# KiCad board panel.kicad_pcb (continued)
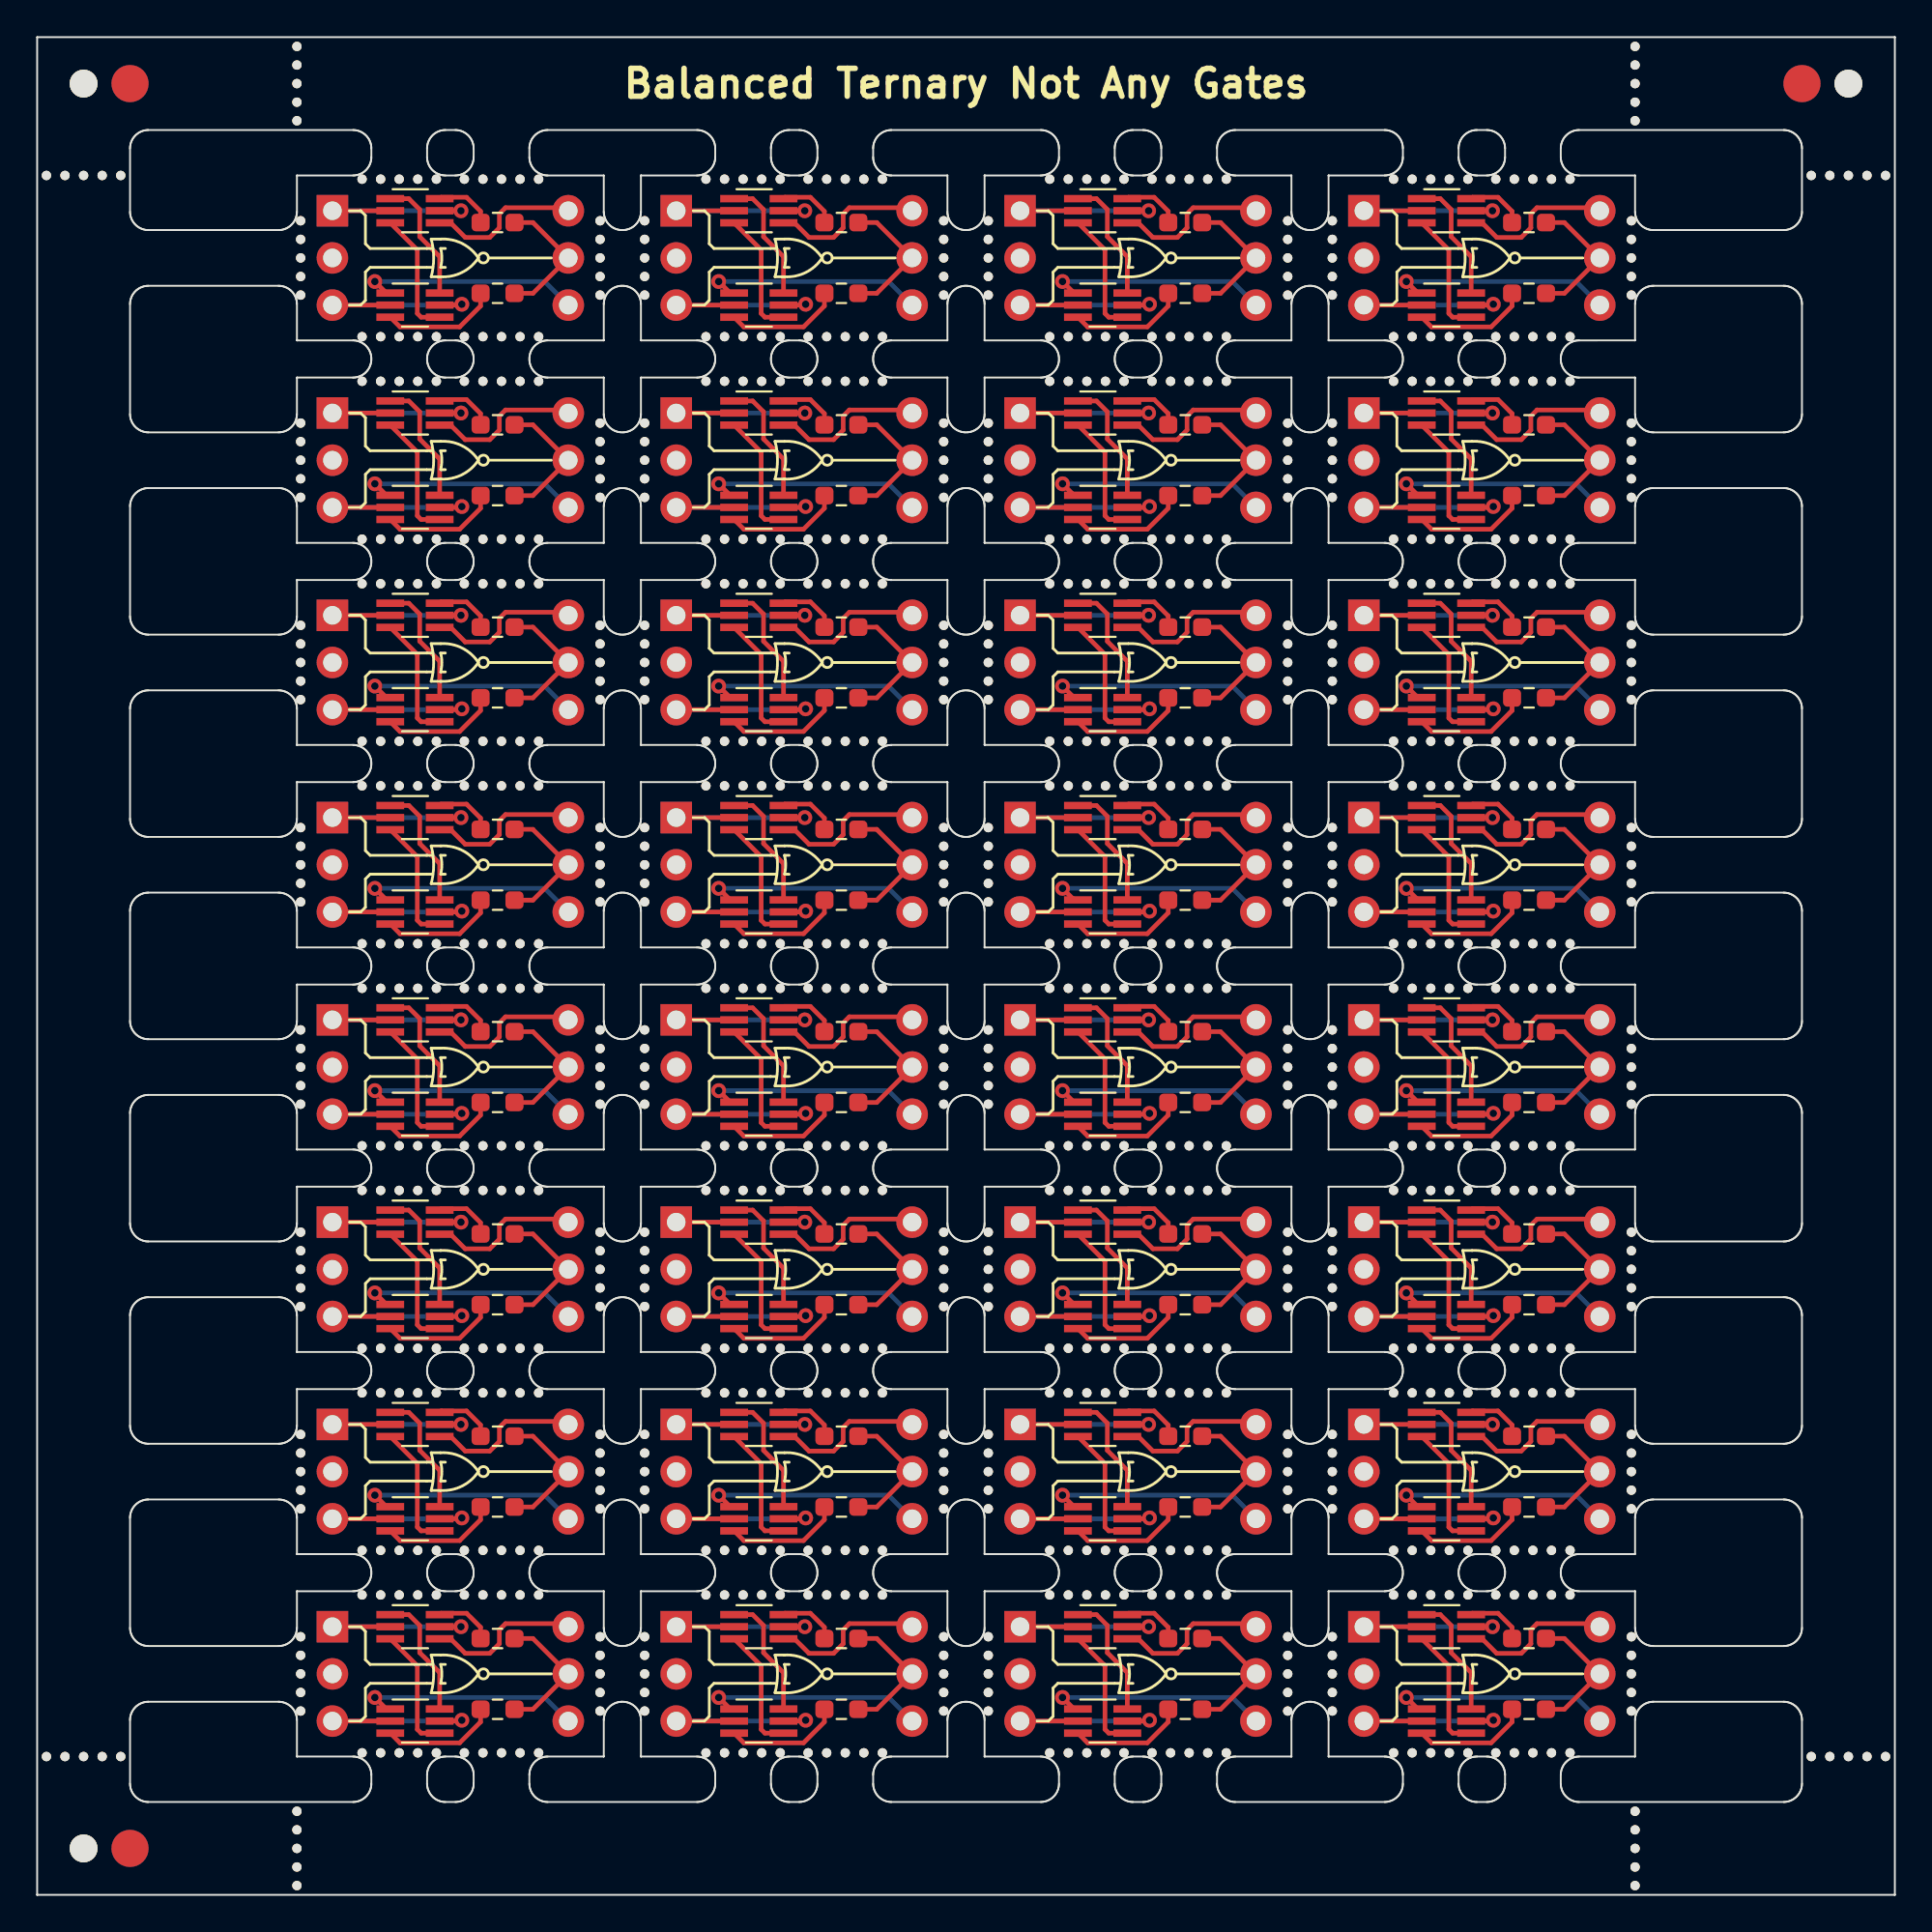
[diagram p0: board, top side]
## Placement (name value [footprint] x y rotation side) (continued)
REF**#884  -  [NPTH]  48.8 75.24 0 top
REF**#885  -  [NPTH]  48.8 57.46 0 top
REF**#886  -  [NPTH]  48.8 22.79 0 top
REF**#887  -  [NPTH]  69.72 22.79 0 top
REF**#888  -  [NPTH]  77.03 40.33 0 top
REF**#889  -  [NPTH]  61.02 72.99 0 top
REF**#890  -  [NPTH]  81.53 81.49 0 top
REF**#891  -  [NPTH]  14.18 66.35 0 top
REF**#892  -  [NPTH#2]  2.5 2.5 0 top
REF**#893  -  [NPTH]  32.7 20.79 0 top
REF**#894  -  [NPTH]  99.51 92.57 0 top
REF**#895  -  [NPTH]  30.3 79.24 0 top
REF**#896  -  [NPTH]  14.18 42.57 0 top
REF**#897  -  [NPTH]  21.49 62.11 0 top
REF**#898  -  [NPTH]  39.01 48.81 0 top
REF**#899  -  [NPTH]  64.02 40.33 0 top
REF**#900  -  [NPTH]  27 27.03 0 top
REF**#901  -  [NPTH]  25 40.33 0 top
REF**#902  -  [NPTH]  41.51 29.43 0 top
REF**#903  -  [NPTH]  60.02 27.03 0 top
REF**#904  -  [NPTH]  20.49 81.49 0 top
REF**#905  -  [NPTH]  69.72 90.13 0 top
REF**#906  -  [NPTH]  80.53 29.43 0 top
REF**#907  -  [NPTH]  48.8 88.13 0 top
REF**#908  -  [NPTH]  18.49 92.37 0 top
REF**#909  -  [NPTH]  85.83 13.9 0 top
REF**#910  -  [NPTH]  82.53 18.55 0 top
REF**#911  -  [NPTH]  23 59.71 0 top
REF**#912  -  [NPTH]  32.7 34.68 0 top
REF**#913  -  [NPTH]  32.7 24.79 0 top
REF**#914  -  [NPTH]  17.49 70.59 0 top
REF**#915  -  [NPTH]  77.03 59.71 0 top
REF**#916  -  [NPTH]  14.18 44.57 0 top
REF**#917  -  [NPTH]  86.03 96.51 0 top
REF**#918  -  [NPTH]  51.2 76.24 0 top
REF**#919  -  [NPTH]  36.01 92.37 0 top
REF**#920  -  [NPTH]  17.49 40.33 0 top
REF**#921  -  [NPTH]  51.2 57.46 0 top
REF**#922  -  [NPTH]  23 81.49 0 top
REF**#923  -  [NPTH]  17.49 59.71 0 top
REF**#924  -  [NPTH]  51.2 90.13 0 top
REF**#925  -  [NPTH]  69.72 88.13 0 top
REF**#926  -  [NPTH]  85.83 76.24 0 top
REF**#927  -  [NPTH]  20.49 37.93 0 top
REF**#928  -  [NPTH]  21.49 29.43 0 top
REF**#929  -  [NPTH]  73.03 92.37 0 top
REF**#930  -  [NPTH]  69.72 87.13 0 top
REF**#931  -  [NPTH]  54.51 83.89 0 top
REF**#932  -  [NPTH]  45.51 18.55 0 top
REF**#933  -  [NPTH]  27 51.21 0 top
REF**#934  -  [NPTH]  30.3 42.57 0 top
REF**#935  -  [NPTH]  78.53 83.89 0 top
REF**#936  -  [NPTH]  57.51 72.99 0 top
REF**#937  -  [NPTH]  38.01 16.15 0 top
REF**#938  -  [NPTH]  58.51 18.55 0 top
REF**#939  -  [NPTH]  17.49 81.49 0 top
REF**#940  -  [NPTH]  44.51 72.99 0 top
REF**#941  -  [NPTH]  25 7.65 0 top
REF**#942  -  [NPTH]  36.01 27.03 0 top
REF**#943  -  [NPTH]  30.3 57.46 0 top
REF**#944  -  [NPTH]  48.8 78.24 0 top
REF**#945  -  [NPTH]  61.02 83.89 0 top
REF**#946  -  [NPTH]  41.51 70.59 0 top
REF**#947  -  [NPTH]  51.2 53.46 0 top
REF**#948  -  [NPTH]  56.51 81.49 0 top
REF**#949  -  [NPTH]  85.83 78.24 0 top
REF**#950  -  [NPTH]  74.03 70.59 0 top
REF**#951  -  [NPTH]  48.8 86.13 0 top
REF**#952  -  [NPTH]  81.53 27.03 0 top
REF**#953  -  [NPTH]  69.72 57.46 0 top
REF**#954  -  [NPTH]  48.8 31.68 0 top
REF**#955  -  [NPTH]  80.53 16.15 0 top
REF**#956  -  [NPTH]  58.51 7.65 0 top
REF**#957  -  [NPTH]  64.02 7.65 0 top
REF**#958  -  [NPTH]  45.51 37.93 0 top
REF**#959  -  [NPTH]  62.02 81.49 0 top
REF**#960  -  [NPTH]  32.7 57.46 0 top
REF**#961  -  [NPTH]  30.3 32.68 0 top
REF**#962  -  [NPTH]  37.01 18.55 0 top
REF**#963  -  [NPTH]  48.8 67.35 0 top
REF**#964  -  [NPTH]  25 59.71 0 top
REF**#965  -  [NPTH]  57.51 59.71 0 top
REF**#966  -  [NPTH]  80.53 81.49 0 top
REF**#967  -  [NPTH]  48.8 20.79 0 top
REF**#968  -  [NPTH]  85.83 42.57 0 top
REF**#969  -  [NPTH]  79.53 72.99 0 top
REF**#970  -  [NPTH]  45.51 16.15 0 top
REF**#971  -  [NPTH]  63.02 62.11 0 top
REF**#972  -  [NPTH]  39.01 70.59 0 top
REF**#973  -  [NPTH]  55.51 48.81 0 top
REF**#974  -  [NPTH]  63.02 40.33 0 top
REF**#975  -  [NPTH]  43.51 40.33 0 top
REF**#976  -  [NPTH]  30.3 21.79 0 top
REF**#977  -  [NPTH]  41.51 51.21 0 top
REF**#978  -  [NPTH]  54.51 40.33 0 top
REF**#979  -  [NPTH]  60.02 62.11 0 top
REF**#980  -  [NPTH]  78.53 81.49 0 top
REF**#981  -  [NPTH]  51.2 23.79 0 top
REF**#982  -  [NPTH]  27 70.59 0 top
REF**#983  -  [NPTH]  62.02 16.15 0 top
REF**#984  -  [NPTH]  14.18 33.68 0 top
REF**#985  -  [NPTH]  14.18 20.79 0 top
REF**#986  -  [NPTH]  99.51 7.45 0 top
REF**#987  -  [NPTH]  97.51 92.57 0 top
REF**#988  -  [NPTH]  43.51 37.93 0 top
REF**#989  -  [NPTH]  36.01 16.15 0 top
REF**#990  -  [NPTH]  41.51 72.99 0 top
REF**#991  -  [NPTH]  30.3 20.79 0 top
REF**#992  -  [NPTH]  21.49 81.49 0 top
REF**#993  -  [NPTH]  30.3 35.68 0 top
REF**#994  -  [NPTH]  30.3 76.24 0 top
REF**#995  -  [NPTH]  96.51 92.57 0 top
REF**#996  -  [NPTH]  0.5 92.57 0 top
REF**#997  -  [NPTH]  62.02 29.43 0 top
REF**#998  -  [NPTH]  30.3 33.68 0 top
REF**#999  -  [NPTH]  57.51 83.89 0 top
REF**#1000  -  [NPTH]  64.02 29.43 0 top
REF**#1001  -  [NPTH]  37.01 72.99 0 top
REF**#1002  -  [NPTH]  38.01 18.55 0 top
REF**#1003  -  [NPTH]  85.83 43.57 0 top
REF**#1004  -  [NPTH]  40.01 40.33 0 top
REF**#1005  -  [NPTH]  17.49 27.03 0 top
REF**#1006  -  [NPTH]  63.02 37.93 0 top
REF**#1007  -  [Fiducial]  5 2.5 0 bottom
REF**#1008  -  [Fiducial]  95.01 97.51 0 bottom
REF**#1009  -  [Fiducial]  5 97.51 0 bottom

## Library data of the parts
J1 J1#2-J1#32 J2 J2#2-J2#32 = -: Spice_Netlist_Enabled: N; Spice_Primitive: J
Q1 Q1#2-Q1#32 Q2 Q2#2-Q2#32 = -: Spice_Lib_File: /lab/dev/tritium/library/TritiumSpice.lib; Spice_Model: BSS8402DW; Spice_Netlist_Enabled: Y; Spice_Primitive: X

## Footprints (pads in the part's own frame, mm; a bottom-side part is the same pattern mirrored in y, then rotated)
Fiducial
  round 2 smd: (0,0)
NPTH
  round 0.5 hole 0.5 unplated: (0,0)
NPTH#2
  round 1.5 hole 1.5 unplated: (0,0)
PinHeader_1x03_P2.54mm_Vertical_NoSilkscreen
  round 1.7 hole 1: 1(0,0)
  oval 1.7x1.7 hole 1: 2(0,-2.54) 3(0,-5.08)
PinHeader_1x03_P2.54mm_Vertical_NoSilkscreen#2
  rect 1.7x1.7 hole 1: 1(0,0)
  oval 1.7x1.7 hole 1: 2(0,-2.54) 3(0,-5.08)
R_0603_1608Metric_Pad0.98x0.95mm_HandSolder
  rrect 0.975x0.95 smd: 1(-0.912,0) 2(0.912,0)
SOT-363_SC-70-6_Handsoldering
  rect 1.5x0.4 smd: 1(-1.33,0.65) 2(-1.33,0) 3(-1.33,-0.65) 4(1.33,-0.65) 5(1.33,0) 6(1.33,0.65)

## Nets
Board_0-A: J1.3 Q2#17.2 Q2#17.5
Board_0-B: J1.1 Q1#22.2 Q1#22.5
Board_0-Net-(Q1-Pad1): Q1#22.1 Q2#17.6
Board_0-Net-(Q1-Pad3): Q1#22.3 Q2#17.4
Board_0-Net-(Q1-Pad6): Q1#22.6 R2#22.2
Board_0-Net-(Q2-Pad3): Q2#17.3 R1#14.1
Board_0-Out: J2#25.2 R1#14.2 R2#22.1
Board_0-unconnected-(J1-Pad2): J1.2
Board_0-VDD: J2#25.1 Q1#22.4
Board_0-VSS: J2#25.3 Q2#17.1
Board_1-A: J1#26.3 Q2#7.2 Q2#7.5
Board_1-B: J1#26.1 Q1#17.2 Q1#17.5
Board_1-Net-(Q1-Pad1): Q1#17.1 Q2#7.6
Board_1-Net-(Q1-Pad3): Q1#17.3 Q2#7.4
Board_1-Net-(Q1-Pad6): Q1#17.6 R2#5.2
Board_1-Net-(Q2-Pad3): Q2#7.3 R1#24.1
Board_1-Out: J2#2.2 R1#24.2 R2#5.1
Board_1-unconnected-(J1-Pad2): J1#26.2
Board_1-VDD: J2#2.1 Q1#17.4
Board_1-VSS: J2#2.3 Q2#7.1
Board_2-A: J1#18.3 Q2#21.2 Q2#21.5
Board_2-B: J1#18.1 Q1#7.2 Q1#7.5
Board_2-Net-(Q1-Pad1): Q1#7.1 Q2#21.6
Board_2-Net-(Q1-Pad3): Q1#7.3 Q2#21.4
Board_2-Net-(Q1-Pad6): Q1#7.6 R2#28.2
Board_2-Net-(Q2-Pad3): Q2#21.3 R1#8.1
Board_2-Out: J2#4.2 R1#8.2 R2#28.1
Board_2-unconnected-(J1-Pad2): J1#18.2
Board_2-VDD: J2#4.1 Q1#7.4
Board_2-VSS: J2#4.3 Q2#21.1
Board_3-A: J1#32.3 Q2#25.2 Q2#25.5
Board_3-B: J1#32.1 Q1#3.2 Q1#3.5
Board_3-Net-(Q1-Pad1): Q1#3.1 Q2#25.6
Board_3-Net-(Q1-Pad3): Q1#3.3 Q2#25.4
Board_3-Net-(Q1-Pad6): Q1#3.6 R2#24.2
Board_3-Net-(Q2-Pad3): Q2#25.3 R1#32.1
Board_3-Out: J2#21.2 R1#32.2 R2#24.1
Board_3-unconnected-(J1-Pad2): J1#32.2
Board_3-VDD: J2#21.1 Q1#3.4
Board_3-VSS: J2#21.3 Q2#25.1
Board_4-A: J1#3.3 Q2#29.2 Q2#29.5
Board_4-B: J1#3.1 Q1#20.2 Q1#20.5
Board_4-Net-(Q1-Pad1): Q1#20.1 Q2#29.6
Board_4-Net-(Q1-Pad3): Q1#20.3 Q2#29.4
Board_4-Net-(Q1-Pad6): Q1#20.6 R2#25.2
Board_4-Net-(Q2-Pad3): Q2#29.3 R1#16.1
Board_4-Out: J2#20.2 R1#16.2 R2#25.1
Board_4-unconnected-(J1-Pad2): J1#3.2
Board_4-VDD: J2#20.1 Q1#20.4
Board_4-VSS: J2#20.3 Q2#29.1
Board_5-A: J1#27.3 Q2#12.2 Q2#12.5
Board_5-B: J1#27.1 Q1#5.2 Q1#5.5
Board_5-Net-(Q1-Pad1): Q1#5.1 Q2#12.6
Board_5-Net-(Q1-Pad3): Q1#5.3 Q2#12.4
Board_5-Net-(Q1-Pad6): Q1#5.6 R2#13.2
Board_5-Net-(Q2-Pad3): Q2#12.3 R1#13.1
Board_5-Out: J2#11.2 R1#13.2 R2#13.1
Board_5-unconnected-(J1-Pad2): J1#27.2
Board_5-VDD: J2#11.1 Q1#5.4
Board_5-VSS: J2#11.3 Q2#12.1
Board_6-A: J1#23.3 Q2#3.2 Q2#3.5
Board_6-B: J1#23.1 Q1#6.2 Q1#6.5
Board_6-Net-(Q1-Pad1): Q1#6.1 Q2#3.6
Board_6-Net-(Q1-Pad3): Q1#6.3 Q2#3.4
Board_6-Net-(Q1-Pad6): Q1#6.6 R2#3.2
Board_6-Net-(Q2-Pad3): Q2#3.3 R1#6.1
Board_6-Out: J2#17.2 R1#6.2 R2#3.1
Board_6-unconnected-(J1-Pad2): J1#23.2
Board_6-VDD: J2#17.1 Q1#6.4
Board_6-VSS: J2#17.3 Q2#3.1
Board_7-A: J1#4.3 Q2#2.2 Q2#2.5
Board_7-B: J1#4.1 Q1#27.2 Q1#27.5
Board_7-Net-(Q1-Pad1): Q1#27.1 Q2#2.6
Board_7-Net-(Q1-Pad3): Q1#27.3 Q2#2.4
Board_7-Net-(Q1-Pad6): Q1#27.6 R2#32.2
Board_7-Net-(Q2-Pad3): Q2#2.3 R1#26.1
Board_7-Out: J2#8.2 R1#26.2 R2#32.1
Board_7-unconnected-(J1-Pad2): J1#4.2
Board_7-VDD: J2#8.1 Q1#27.4
Board_7-VSS: J2#8.3 Q2#2.1
Board_8-A: J1#9.3 Q2.2 Q2.5
Board_8-B: J1#9.1 Q1#29.2 Q1#29.5
Board_8-Net-(Q1-Pad1): Q1#29.1 Q2.6
Board_8-Net-(Q1-Pad3): Q1#29.3 Q2.4
Board_8-Net-(Q1-Pad6): Q1#29.6 R2#14.2
Board_8-Net-(Q2-Pad3): Q2.3 R1#5.1
Board_8-Out: J2#6.2 R1#5.2 R2#14.1
Board_8-unconnected-(J1-Pad2): J1#9.2
Board_8-VDD: J2#6.1 Q1#29.4
Board_8-VSS: J2#6.3 Q2.1
Board_9-A: J1#29.3 Q2#22.2 Q2#22.5
Board_9-B: J1#29.1 Q1#19.2 Q1#19.5
Board_9-Net-(Q1-Pad1): Q1#19.1 Q2#22.6
Board_9-Net-(Q1-Pad3): Q1#19.3 Q2#22.4
Board_9-Net-(Q1-Pad6): Q1#19.6 R2#20.2
Board_9-Net-(Q2-Pad3): Q2#22.3 R1#20.1
Board_9-Out: J2#27.2 R1#20.2 R2#20.1
Board_9-unconnected-(J1-Pad2): J1#29.2
Board_9-VDD: J2#27.1 Q1#19.4
Board_9-VSS: J2#27.3 Q2#22.1
Board_10-A: J1#21.3 Q2#20.2 Q2#20.5
Board_10-B: J1#21.1 Q1#25.2 Q1#25.5
Board_10-Net-(Q1-Pad1): Q1#25.1 Q2#20.6
Board_10-Net-(Q1-Pad3): Q1#25.3 Q2#20.4
Board_10-Net-(Q1-Pad6): Q1#25.6 R2#7.2
Board_10-Net-(Q2-Pad3): Q2#20.3 R1#19.1
Board_10-Out: J2#15.2 R1#19.2 R2#7.1
Board_10-unconnected-(J1-Pad2): J1#21.2
Board_10-VDD: J2#15.1 Q1#25.4
Board_10-VSS: J2#15.3 Q2#20.1
Board_11-A: J1#24.3 Q2#10.2 Q2#10.5
Board_11-B: J1#24.1 Q1#21.2 Q1#21.5
Board_11-Net-(Q1-Pad1): Q1#21.1 Q2#10.6
Board_11-Net-(Q1-Pad3): Q1#21.3 Q2#10.4
Board_11-Net-(Q1-Pad6): Q1#21.6 R2.2
Board_11-Net-(Q2-Pad3): Q2#10.3 R1#9.1
Board_11-Out: J2#26.2 R1#9.2 R2.1
Board_11-unconnected-(J1-Pad2): J1#24.2
Board_11-VDD: J2#26.1 Q1#21.4
Board_11-VSS: J2#26.3 Q2#10.1
Board_12-A: J1#2.3 Q2#6.2 Q2#6.5
Board_12-B: J1#2.1 Q1#10.2 Q1#10.5
Board_12-Net-(Q1-Pad1): Q1#10.1 Q2#6.6
Board_12-Net-(Q1-Pad3): Q1#10.3 Q2#6.4
Board_12-Net-(Q1-Pad6): Q1#10.6 R2#17.2
Board_12-Net-(Q2-Pad3): Q2#6.3 R1#30.1
Board_12-Out: J2#22.2 R1#30.2 R2#17.1
Board_12-unconnected-(J1-Pad2): J1#2.2
Board_12-VDD: J2#22.1 Q1#10.4
Board_12-VSS: J2#22.3 Q2#6.1
Board_13-A: J1#8.3 Q2#8.2 Q2#8.5
Board_13-B: J1#8.1 Q1#2.2 Q1#2.5
Board_13-Net-(Q1-Pad1): Q1#2.1 Q2#8.6
Board_13-Net-(Q1-Pad3): Q1#2.3 Q2#8.4
Board_13-Net-(Q1-Pad6): Q1#2.6 R2#27.2
Board_13-Net-(Q2-Pad3): Q2#8.3 R1#4.1
Board_13-Out: J2#12.2 R1#4.2 R2#27.1
Board_13-unconnected-(J1-Pad2): J1#8.2
Board_13-VDD: J2#12.1 Q1#2.4
Board_13-VSS: J2#12.3 Q2#8.1
Board_14-A: J1#25.3 Q2#32.2 Q2#32.5
Board_14-B: J1#25.1 Q1#30.2 Q1#30.5
Board_14-Net-(Q1-Pad1): Q1#30.1 Q2#32.6
Board_14-Net-(Q1-Pad3): Q1#30.3 Q2#32.4
Board_14-Net-(Q1-Pad6): Q1#30.6 R2#8.2
Board_14-Net-(Q2-Pad3): Q2#32.3 R1#22.1
Board_14-Out: J2#7.2 R1#22.2 R2#8.1
Board_14-unconnected-(J1-Pad2): J1#25.2
Board_14-VDD: J2#7.1 Q1#30.4
Board_14-VSS: J2#7.3 Q2#32.1
Board_15-A: J1#5.3 Q2#15.2 Q2#15.5
Board_15-B: J1#5.1 Q1#23.2 Q1#23.5
Board_15-Net-(Q1-Pad1): Q1#23.1 Q2#15.6
Board_15-Net-(Q1-Pad3): Q1#23.3 Q2#15.4
Board_15-Net-(Q1-Pad6): Q1#23.6 R2#21.2
Board_15-Net-(Q2-Pad3): Q2#15.3 R1#23.1
Board_15-Out: J2#9.2 R1#23.2 R2#21.1
Board_15-unconnected-(J1-Pad2): J1#5.2
Board_15-VDD: J2#9.1 Q1#23.4
Board_15-VSS: J2#9.3 Q2#15.1
Board_16-A: J1#19.3 Q2#24.2 Q2#24.5
Board_16-B: J1#19.1 Q1#16.2 Q1#16.5
Board_16-Net-(Q1-Pad1): Q1#16.1 Q2#24.6
Board_16-Net-(Q1-Pad3): Q1#16.3 Q2#24.4
Board_16-Net-(Q1-Pad6): Q1#16.6 R2#10.2
Board_16-Net-(Q2-Pad3): Q2#24.3 R1#28.1
Board_16-Out: J2#32.2 R1#28.2 R2#10.1
Board_16-unconnected-(J1-Pad2): J1#19.2
Board_16-VDD: J2#32.1 Q1#16.4
Board_16-VSS: J2#32.3 Q2#24.1
Board_17-A: J1#12.3 Q2#9.2 Q2#9.5
Board_17-B: J1#12.1 Q1.2 Q1.5
Board_17-Net-(Q1-Pad1): Q1.1 Q2#9.6
Board_17-Net-(Q1-Pad3): Q1.3 Q2#9.4
Board_17-Net-(Q1-Pad6): Q1.6 R2#30.2
Board_17-Net-(Q2-Pad3): Q2#9.3 R1#21.1
Board_17-Out: J2#28.2 R1#21.2 R2#30.1
Board_17-unconnected-(J1-Pad2): J1#12.2
Board_17-VDD: J2#28.1 Q1.4
Board_17-VSS: J2#28.3 Q2#9.1
Board_18-A: J1#14.3 Q2#18.2 Q2#18.5
Board_18-B: J1#14.1 Q1#9.2 Q1#9.5
Board_18-Net-(Q1-Pad1): Q1#9.1 Q2#18.6
Board_18-Net-(Q1-Pad3): Q1#9.3 Q2#18.4
Board_18-Net-(Q1-Pad6): Q1#9.6 R2#12.2
Board_18-Net-(Q2-Pad3): Q2#18.3 R1#31.1
Board_18-Out: J2#30.2 R1#31.2 R2#12.1
Board_18-unconnected-(J1-Pad2): J1#14.2
Board_18-VDD: J2#30.1 Q1#9.4
Board_18-VSS: J2#30.3 Q2#18.1
Board_19-A: J1#28.3 Q2#13.2 Q2#13.5
Board_19-B: J1#28.1 Q1#8.2 Q1#8.5
Board_19-Net-(Q1-Pad1): Q1#8.1 Q2#13.6
Board_19-Net-(Q1-Pad3): Q1#8.3 Q2#13.4
Board_19-Net-(Q1-Pad6): Q1#8.6 R2#9.2
Board_19-Net-(Q2-Pad3): Q2#13.3 R1#29.1
Board_19-Out: J2#31.2 R1#29.2 R2#9.1
Board_19-unconnected-(J1-Pad2): J1#28.2
Board_19-VDD: J2#31.1 Q1#8.4
Board_19-VSS: J2#31.3 Q2#13.1
Board_20-A: J1#31.3 Q2#19.2 Q2#19.5
Board_20-B: J1#31.1 Q1#13.2 Q1#13.5
Board_20-Net-(Q1-Pad1): Q1#13.1 Q2#19.6
Board_20-Net-(Q1-Pad3): Q1#13.3 Q2#19.4
Board_20-Net-(Q1-Pad6): Q1#13.6 R2#11.2
Board_20-Net-(Q2-Pad3): Q2#19.3 R1#3.1
Board_20-Out: J2#13.2 R1#3.2 R2#11.1
Board_20-unconnected-(J1-Pad2): J1#31.2
Board_20-VDD: J2#13.1 Q1#13.4
Board_20-VSS: J2#13.3 Q2#19.1
Board_21-A: J1#13.3 Q2#26.2 Q2#26.5
Board_21-B: J1#13.1 Q1#28.2 Q1#28.5
Board_21-Net-(Q1-Pad1): Q1#28.1 Q2#26.6
Board_21-Net-(Q1-Pad3): Q1#28.3 Q2#26.4
Board_21-Net-(Q1-Pad6): Q1#28.6 R2#29.2
Board_21-Net-(Q2-Pad3): Q2#26.3 R1#25.1
Board_21-Out: J2#23.2 R1#25.2 R2#29.1
Board_21-unconnected-(J1-Pad2): J1#13.2
Board_21-VDD: J2#23.1 Q1#28.4
Board_21-VSS: J2#23.3 Q2#26.1
Board_22-A: J1#22.3 Q2#4.2 Q2#4.5
Board_22-B: J1#22.1 Q1#24.2 Q1#24.5
Board_22-Net-(Q1-Pad1): Q1#24.1 Q2#4.6
Board_22-Net-(Q1-Pad3): Q1#24.3 Q2#4.4
Board_22-Net-(Q1-Pad6): Q1#24.6 R2#2.2
Board_22-Net-(Q2-Pad3): Q2#4.3 R1#11.1
Board_22-Out: J2#14.2 R1#11.2 R2#2.1
Board_22-unconnected-(J1-Pad2): J1#22.2
Board_22-VDD: J2#14.1 Q1#24.4
Board_22-VSS: J2#14.3 Q2#4.1
Board_23-A: J1#17.3 Q2#11.2 Q2#11.5
Board_23-B: J1#17.1 Q1#31.2 Q1#31.5
Board_23-Net-(Q1-Pad1): Q1#31.1 Q2#11.6
Board_23-Net-(Q1-Pad3): Q1#31.3 Q2#11.4
Board_23-Net-(Q1-Pad6): Q1#31.6 R2#31.2
Board_23-Net-(Q2-Pad3): Q2#11.3 R1#7.1
Board_23-Out: J2.2 R1#7.2 R2#31.1
Board_23-unconnected-(J1-Pad2): J1#17.2
Board_23-VDD: J2.1 Q1#31.4
Board_23-VSS: J2.3 Q2#11.1
Board_24-A: J1#20.3 Q2#14.2 Q2#14.5
Board_24-B: J1#20.1 Q1#15.2 Q1#15.5
Board_24-Net-(Q1-Pad1): Q1#15.1 Q2#14.6
Board_24-Net-(Q1-Pad3): Q1#15.3 Q2#14.4
Board_24-Net-(Q1-Pad6): Q1#15.6 R2#4.2
Board_24-Net-(Q2-Pad3): Q2#14.3 R1#27.1
Board_24-Out: J2#29.2 R1#27.2 R2#4.1
Board_24-unconnected-(J1-Pad2): J1#20.2
Board_24-VDD: J2#29.1 Q1#15.4
Board_24-VSS: J2#29.3 Q2#14.1
Board_25-A: J1#11.3 Q2#5.2 Q2#5.5
Board_25-B: J1#11.1 Q1#14.2 Q1#14.5
Board_25-Net-(Q1-Pad1): Q1#14.1 Q2#5.6
Board_25-Net-(Q1-Pad3): Q1#14.3 Q2#5.4
Board_25-Net-(Q1-Pad6): Q1#14.6 R2#16.2
Board_25-Net-(Q2-Pad3): Q2#5.3 R1#10.1
Board_25-Out: J2#3.2 R1#10.2 R2#16.1
Board_25-unconnected-(J1-Pad2): J1#11.2
Board_25-VDD: J2#3.1 Q1#14.4
Board_25-VSS: J2#3.3 Q2#5.1
Board_26-A: J1#10.3 Q2#27.2 Q2#27.5
Board_26-B: J1#10.1 Q1#32.2 Q1#32.5
Board_26-Net-(Q1-Pad1): Q1#32.1 Q2#27.6
Board_26-Net-(Q1-Pad3): Q1#32.3 Q2#27.4
Board_26-Net-(Q1-Pad6): Q1#32.6 R2#19.2
Board_26-Net-(Q2-Pad3): Q2#27.3 R1#2.1
Board_26-Out: J2#24.2 R1#2.2 R2#19.1
Board_26-unconnected-(J1-Pad2): J1#10.2
Board_26-VDD: J2#24.1 Q1#32.4
Board_26-VSS: J2#24.3 Q2#27.1
Board_27-A: J1#30.3 Q2#30.2 Q2#30.5
Board_27-B: J1#30.1 Q1#18.2 Q1#18.5
Board_27-Net-(Q1-Pad1): Q1#18.1 Q2#30.6
Board_27-Net-(Q1-Pad3): Q1#18.3 Q2#30.4
Board_27-Net-(Q1-Pad6): Q1#18.6 R2#6.2
Board_27-Net-(Q2-Pad3): Q2#30.3 R1#17.1
Board_27-Out: J2#18.2 R1#17.2 R2#6.1
Board_27-unconnected-(J1-Pad2): J1#30.2
Board_27-VDD: J2#18.1 Q1#18.4
Board_27-VSS: J2#18.3 Q2#30.1
Board_28-A: J1#6.3 Q2#16.2 Q2#16.5
Board_28-B: J1#6.1 Q1#4.2 Q1#4.5
Board_28-Net-(Q1-Pad1): Q1#4.1 Q2#16.6
Board_28-Net-(Q1-Pad3): Q1#4.3 Q2#16.4
Board_28-Net-(Q1-Pad6): Q1#4.6 R2#26.2
Board_28-Net-(Q2-Pad3): Q2#16.3 R1.1
Board_28-Out: J2#19.2 R1.2 R2#26.1
Board_28-unconnected-(J1-Pad2): J1#6.2
Board_28-VDD: J2#19.1 Q1#4.4
Board_28-VSS: J2#19.3 Q2#16.1
Board_29-A: J1#16.3 Q2#28.2 Q2#28.5
Board_29-B: J1#16.1 Q1#26.2 Q1#26.5
Board_29-Net-(Q1-Pad1): Q1#26.1 Q2#28.6
Board_29-Net-(Q1-Pad3): Q1#26.3 Q2#28.4
Board_29-Net-(Q1-Pad6): Q1#26.6 R2#15.2
Board_29-Net-(Q2-Pad3): Q2#28.3 R1#15.1
Board_29-Out: J2#10.2 R1#15.2 R2#15.1
Board_29-unconnected-(J1-Pad2): J1#16.2
Board_29-VDD: J2#10.1 Q1#26.4
Board_29-VSS: J2#10.3 Q2#28.1
Board_30-A: J1#15.3 Q2#23.2 Q2#23.5
Board_30-B: J1#15.1 Q1#12.2 Q1#12.5
Board_30-Net-(Q1-Pad1): Q1#12.1 Q2#23.6
Board_30-Net-(Q1-Pad3): Q1#12.3 Q2#23.4
Board_30-Net-(Q1-Pad6): Q1#12.6 R2#18.2
Board_30-Net-(Q2-Pad3): Q2#23.3 R1#18.1
Board_30-Out: J2#16.2 R1#18.2 R2#18.1
Board_30-unconnected-(J1-Pad2): J1#15.2
Board_30-VDD: J2#16.1 Q1#12.4
Board_30-VSS: J2#16.3 Q2#23.1
Board_31-A: J1#7.3 Q2#31.2 Q2#31.5
Board_31-B: J1#7.1 Q1#11.2 Q1#11.5
Board_31-Net-(Q1-Pad1): Q1#11.1 Q2#31.6
Board_31-Net-(Q1-Pad3): Q1#11.3 Q2#31.4
Board_31-Net-(Q1-Pad6): Q1#11.6 R2#23.2
Board_31-Net-(Q2-Pad3): Q2#31.3 R1#12.1
Board_31-Out: J2#5.2 R1#12.2 R2#23.1
Board_31-unconnected-(J1-Pad2): J1#7.2
Board_31-VDD: J2#5.1 Q1#11.4
Board_31-VSS: J2#5.3 Q2#31.1

## Via types
v1: diameter 0.8, hole 0.4, Top to Bottom, 96 vias

## Routing (per net, layer and track width the routed paths; a pad name or vN(x,y) marks a point on that pad's centre or on a via; arc(x,y) is an arc through that point)
Board_0-A: length 11.3
  Top w0.25: J1.3 Q2#17.2 ; Q2#17.5 22.82,85.59 v1(22.86,85.63)
  Bottom w0.25: v1(22.86,85.63) 22.82,85.59 J1.3
Board_0-B: length 11.2
  Top w0.25: J1.1 Q1#22.2 ; Q1#22.5 v1(22.82,90.67)
  Bottom w0.25: v1(22.82,90.67) J1.1
Board_0-Net-(Q1-Pad1): length 6.8
  Top w0.25: Q2#17.6 21.67,88.19 20.6,89.27 20.6,90.73 20.01,91.32 Q1#22.1
Board_0-Net-(Q1-Pad3): length 6.8
  Top w0.25: Q1#22.3 20.47,88.56 20.47,85.14 20.67,84.94 Q2#17.4
Board_0-Net-(Q1-Pad6): length 3.2
  Top w0.25: R2#22.2 23.87,90.64 23.12,91.39 21.74,91.39 Q1#22.6
Board_0-Net-(Q2-Pad3): length 6.2
  Top w0.25: R1#14.1 23.87,85.54 22.74,84.41 19.53,84.41 Q2#17.3
Board_0-Out: length 7.4
  Top w0.25: R2#22.1 26.69,90.03 J2#25.2 26.69,86.22 R1#14.2
Board_0-VDD: length 8.4
  Top w0.25: J2#25.1 28.43,90.83 25.21,90.83 24.88,90.5 24.88,89.75 24.37,89.23 23.05,89.23 22.26,90.02 Q1#22.4
Board_0-VSS: length 12
  Top w0.25: Q2#17.1 18.8,86.24 v1(18.18,86.86)
  Bottom w0.25: J2#25.3 27.33,86.86 v1(18.18,86.86)
Board_1-A: length 11.3
  Top w0.25: v1(41.37,85.63) 41.33,85.59 Q2#7.5 ; J1#26.3 Q2#7.2
  Bottom w0.25: v1(41.37,85.63) 41.33,85.59 J1#26.3
Board_1-B: length 11.2
  Top w0.25: J1#26.1 Q1#17.2 ; Q1#17.5 v1(41.33,90.67)
  Bottom w0.25: v1(41.33,90.67) J1#26.1
Board_1-Net-(Q1-Pad1): length 6.8
  Top w0.25: Q1#17.1 38.52,91.32 39.11,90.73 39.11,89.27 40.18,88.19 Q2#7.6
Board_1-Net-(Q1-Pad3): length 6.8
  Top w0.25: Q1#17.3 38.98,88.56 38.98,85.14 39.18,84.94 Q2#7.4
Board_1-Net-(Q1-Pad6): length 3.2
  Top w0.25: R2#5.2 42.38,90.64 41.63,91.39 40.25,91.39 Q1#17.6
Board_1-Net-(Q2-Pad3): length 6.2
  Top w0.25: Q2#7.3 38.05,84.41 41.26,84.41 42.38,85.54 R1#24.1
Board_1-Out: length 7.4
  Top w0.25: R1#24.2 45.2,86.22 J2#2.2 45.2,90.03 R2#5.1
Board_1-VDD: length 8.4
  Top w0.25: Q1#17.4 40.77,90.02 41.55,89.23 42.88,89.23 43.4,89.75 43.4,90.5 43.72,90.83 46.94,90.83 J2#2.1
Board_1-VSS: length 12
  Top w0.25: v1(36.69,86.86) 37.31,86.24 Q2#7.1
  Bottom w0.25: J2#2.3 45.84,86.86 v1(36.69,86.86)
Board_2-A: length 11.3
  Top w0.25: Q2#21.5 59.84,85.59 v1(59.88,85.63) ; J1#18.3 Q2#21.2
  Bottom w0.25: J1#18.3 59.84,85.59 v1(59.88,85.63)
Board_2-B: length 11.2
  Top w0.25: Q1#7.5 v1(59.84,90.67) ; J1#18.1 Q1#7.2
  Bottom w0.25: v1(59.84,90.67) J1#18.1
Board_2-Net-(Q1-Pad1): length 6.8
  Top w0.25: Q1#7.1 57.03,91.32 57.62,90.73 57.62,89.27 58.69,88.19 Q2#21.6
Board_2-Net-(Q1-Pad3): length 6.8
  Top w0.25: Q2#21.4 57.69,84.94 57.49,85.14 57.49,88.56 Q1#7.3
Board_2-Net-(Q1-Pad6): length 3.2
  Top w0.25: R2#28.2 60.89,90.64 60.14,91.39 58.76,91.39 Q1#7.6
Board_2-Net-(Q2-Pad3): length 6.2
  Top w0.25: R1#8.1 60.89,85.54 59.77,84.41 56.56,84.41 Q2#21.3
Board_2-Out: length 7.4
  Top w0.25: R1#8.2 63.71,86.22 J2#4.2 63.71,90.03 R2#28.1
Board_2-VDD: length 8.4
  Top w0.25: J2#4.1 65.45,90.83 62.23,90.83 61.91,90.5 61.91,89.75 61.39,89.23 60.06,89.23 59.28,90.02 Q1#7.4
Board_2-VSS: length 12
  Top w0.25: v1(55.2,86.86) 55.82,86.24 Q2#21.1
  Bottom w0.25: v1(55.2,86.86) 64.34,86.86 J2#4.3
Board_3-A: length 11.3
  Top w0.25: J1#32.3 Q2#25.2 ; Q2#25.5 78.35,85.59 v1(78.39,85.63)
  Bottom w0.25: v1(78.39,85.63) 78.35,85.59 J1#32.3
Board_3-B: length 11.2
  Top w0.25: Q1#3.5 v1(78.35,90.67) ; J1#32.1 Q1#3.2
  Bottom w0.25: v1(78.35,90.67) J1#32.1
Board_3-Net-(Q1-Pad1): length 6.8
  Top w0.25: Q1#3.1 75.54,91.32 76.13,90.73 76.13,89.27 77.2,88.19 Q2#25.6
Board_3-Net-(Q1-Pad3): length 6.8
  Top w0.25: Q1#3.3 76,88.56 76,85.14 76.2,84.94 Q2#25.4
Board_3-Net-(Q1-Pad6): length 3.2
  Top w0.25: R2#24.2 79.4,90.64 78.65,91.39 77.27,91.39 Q1#3.6
Board_3-Net-(Q2-Pad3): length 6.2
  Top w0.25: Q2#25.3 75.06,84.41 78.28,84.41 79.4,85.54 R1#32.1
Board_3-Out: length 7.4
  Top w0.25: R1#32.2 82.22,86.22 J2#21.2 82.22,90.03 R2#24.1
Board_3-VDD: length 8.4
  Top w0.25: J2#21.1 83.96,90.83 80.74,90.83 80.42,90.5 80.42,89.75 79.9,89.23 78.58,89.23 77.79,90.02 Q1#3.4
Board_3-VSS: length 12
  Top w0.25: Q2#25.1 74.33,86.24 v1(73.71,86.86)
  Bottom w0.25: J2#21.3 82.86,86.86 v1(73.71,86.86)
Board_4-A: length 11.3
  Top w0.25: Q2#29.5 22.82,74.7 v1(22.86,74.74) ; J1#3.3 Q2#29.2
  Bottom w0.25: J1#3.3 22.82,74.7 v1(22.86,74.74)
Board_4-B: length 11.2
  Top w0.25: Q1#20.5 v1(22.82,79.78) ; J1#3.1 Q1#20.2
  Bottom w0.25: v1(22.82,79.78) J1#3.1
Board_4-Net-(Q1-Pad1): length 6.8
  Top w0.25: Q1#20.1 20.01,80.43 20.6,79.84 20.6,78.38 21.67,77.3 Q2#29.6
Board_4-Net-(Q1-Pad3): length 6.8
  Top w0.25: Q1#20.3 20.47,77.67 20.47,74.25 20.67,74.05 Q2#29.4
Board_4-Net-(Q1-Pad6): length 3.2
  Top w0.25: Q1#20.6 21.74,80.5 23.12,80.5 23.87,79.75 R2#25.2
Board_4-Net-(Q2-Pad3): length 6.2
  Top w0.25: R1#16.1 23.87,74.65 22.74,73.52 19.53,73.52 Q2#29.3
Board_4-Out: length 7.4
  Top w0.25: R1#16.2 26.69,75.33 J2#20.2 26.69,79.14 R2#25.1
Board_4-VDD: length 8.4
  Top w0.25: J2#20.1 28.43,79.94 25.21,79.94 24.88,79.61 24.88,78.86 24.37,78.34 23.05,78.34 22.26,79.13 Q1#20.4
Board_4-VSS: length 12
  Top w0.25: Q2#29.1 18.8,75.35 v1(18.18,75.97)
  Bottom w0.25: v1(18.18,75.97) 27.33,75.97 J2#20.3
Board_5-A: length 11.3
  Top w0.25: Q2#12.5 41.33,74.7 v1(41.37,74.74) ; J1#27.3 Q2#12.2
  Bottom w0.25: J1#27.3 41.33,74.7 v1(41.37,74.74)
Board_5-B: length 11.2
  Top w0.25: Q1#5.5 v1(41.33,79.78) ; J1#27.1 Q1#5.2
  Bottom w0.25: v1(41.33,79.78) J1#27.1
Board_5-Net-(Q1-Pad1): length 6.8
  Top w0.25: Q1#5.1 38.52,80.43 39.11,79.84 39.11,78.38 40.18,77.3 Q2#12.6
Board_5-Net-(Q1-Pad3): length 6.8
  Top w0.25: Q1#5.3 38.98,77.67 38.98,74.25 39.18,74.05 Q2#12.4
Board_5-Net-(Q1-Pad6): length 3.2
  Top w0.25: Q1#5.6 40.25,80.5 41.63,80.5 42.38,79.75 R2#13.2
Board_5-Net-(Q2-Pad3): length 6.2
  Top w0.25: Q2#12.3 38.05,73.52 41.26,73.52 42.38,74.65 R1#13.1
Board_5-Out: length 7.4
  Top w0.25: R2#13.1 45.2,79.14 J2#11.2 45.2,75.33 R1#13.2
Board_5-VDD: length 8.4
  Top w0.25: Q1#5.4 40.77,79.13 41.55,78.34 42.88,78.34 43.4,78.86 43.4,79.61 43.72,79.94 46.94,79.94 J2#11.1
Board_5-VSS: length 12
  Top w0.25: v1(36.69,75.97) 37.31,75.35 Q2#12.1
  Bottom w0.25: v1(36.69,75.97) 45.84,75.97 J2#11.3
Board_6-A: length 11.3
  Top w0.25: v1(59.88,74.74) 59.84,74.7 Q2#3.5 ; J1#23.3 Q2#3.2
  Bottom w0.25: J1#23.3 59.84,74.7 v1(59.88,74.74)
Board_6-B: length 11.2
  Top w0.25: J1#23.1 Q1#6.2 ; Q1#6.5 v1(59.84,79.78)
  Bottom w0.25: v1(59.84,79.78) J1#23.1
Board_6-Net-(Q1-Pad1): length 6.8
  Top w0.25: Q1#6.1 57.03,80.43 57.62,79.84 57.62,78.38 58.69,77.3 Q2#3.6
Board_6-Net-(Q1-Pad3): length 6.8
  Top w0.25: Q2#3.4 57.69,74.05 57.49,74.25 57.49,77.67 Q1#6.3
Board_6-Net-(Q1-Pad6): length 3.2
  Top w0.25: Q1#6.6 58.76,80.5 60.14,80.5 60.89,79.75 R2#3.2
Board_6-Net-(Q2-Pad3): length 6.2
  Top w0.25: Q2#3.3 56.56,73.52 59.77,73.52 60.89,74.65 R1#6.1
Board_6-Out: length 7.4
  Top w0.25: R2#3.1 63.71,79.14 J2#17.2 63.71,75.33 R1#6.2
Board_6-VDD: length 8.4
  Top w0.25: Q1#6.4 59.28,79.13 60.06,78.34 61.39,78.34 61.91,78.86 61.91,79.61 62.23,79.94 65.45,79.94 J2#17.1
Board_6-VSS: length 12
  Top w0.25: v1(55.2,75.97) 55.82,75.35 Q2#3.1
  Bottom w0.25: v1(55.2,75.97) 64.34,75.97 J2#17.3
Board_7-A: length 11.3
  Top w0.25: J1#4.3 Q2#2.2 ; v1(78.39,74.74) 78.35,74.7 Q2#2.5
  Bottom w0.25: v1(78.39,74.74) 78.35,74.7 J1#4.3
Board_7-B: length 11.2
  Top w0.25: Q1#27.5 v1(78.35,79.78) ; J1#4.1 Q1#27.2
  Bottom w0.25: v1(78.35,79.78) J1#4.1
Board_7-Net-(Q1-Pad1): length 6.8